# Altium PCB BEAGLEPLAYV020_220915.brd.PcbDoc (part 7 of 12) (continued)
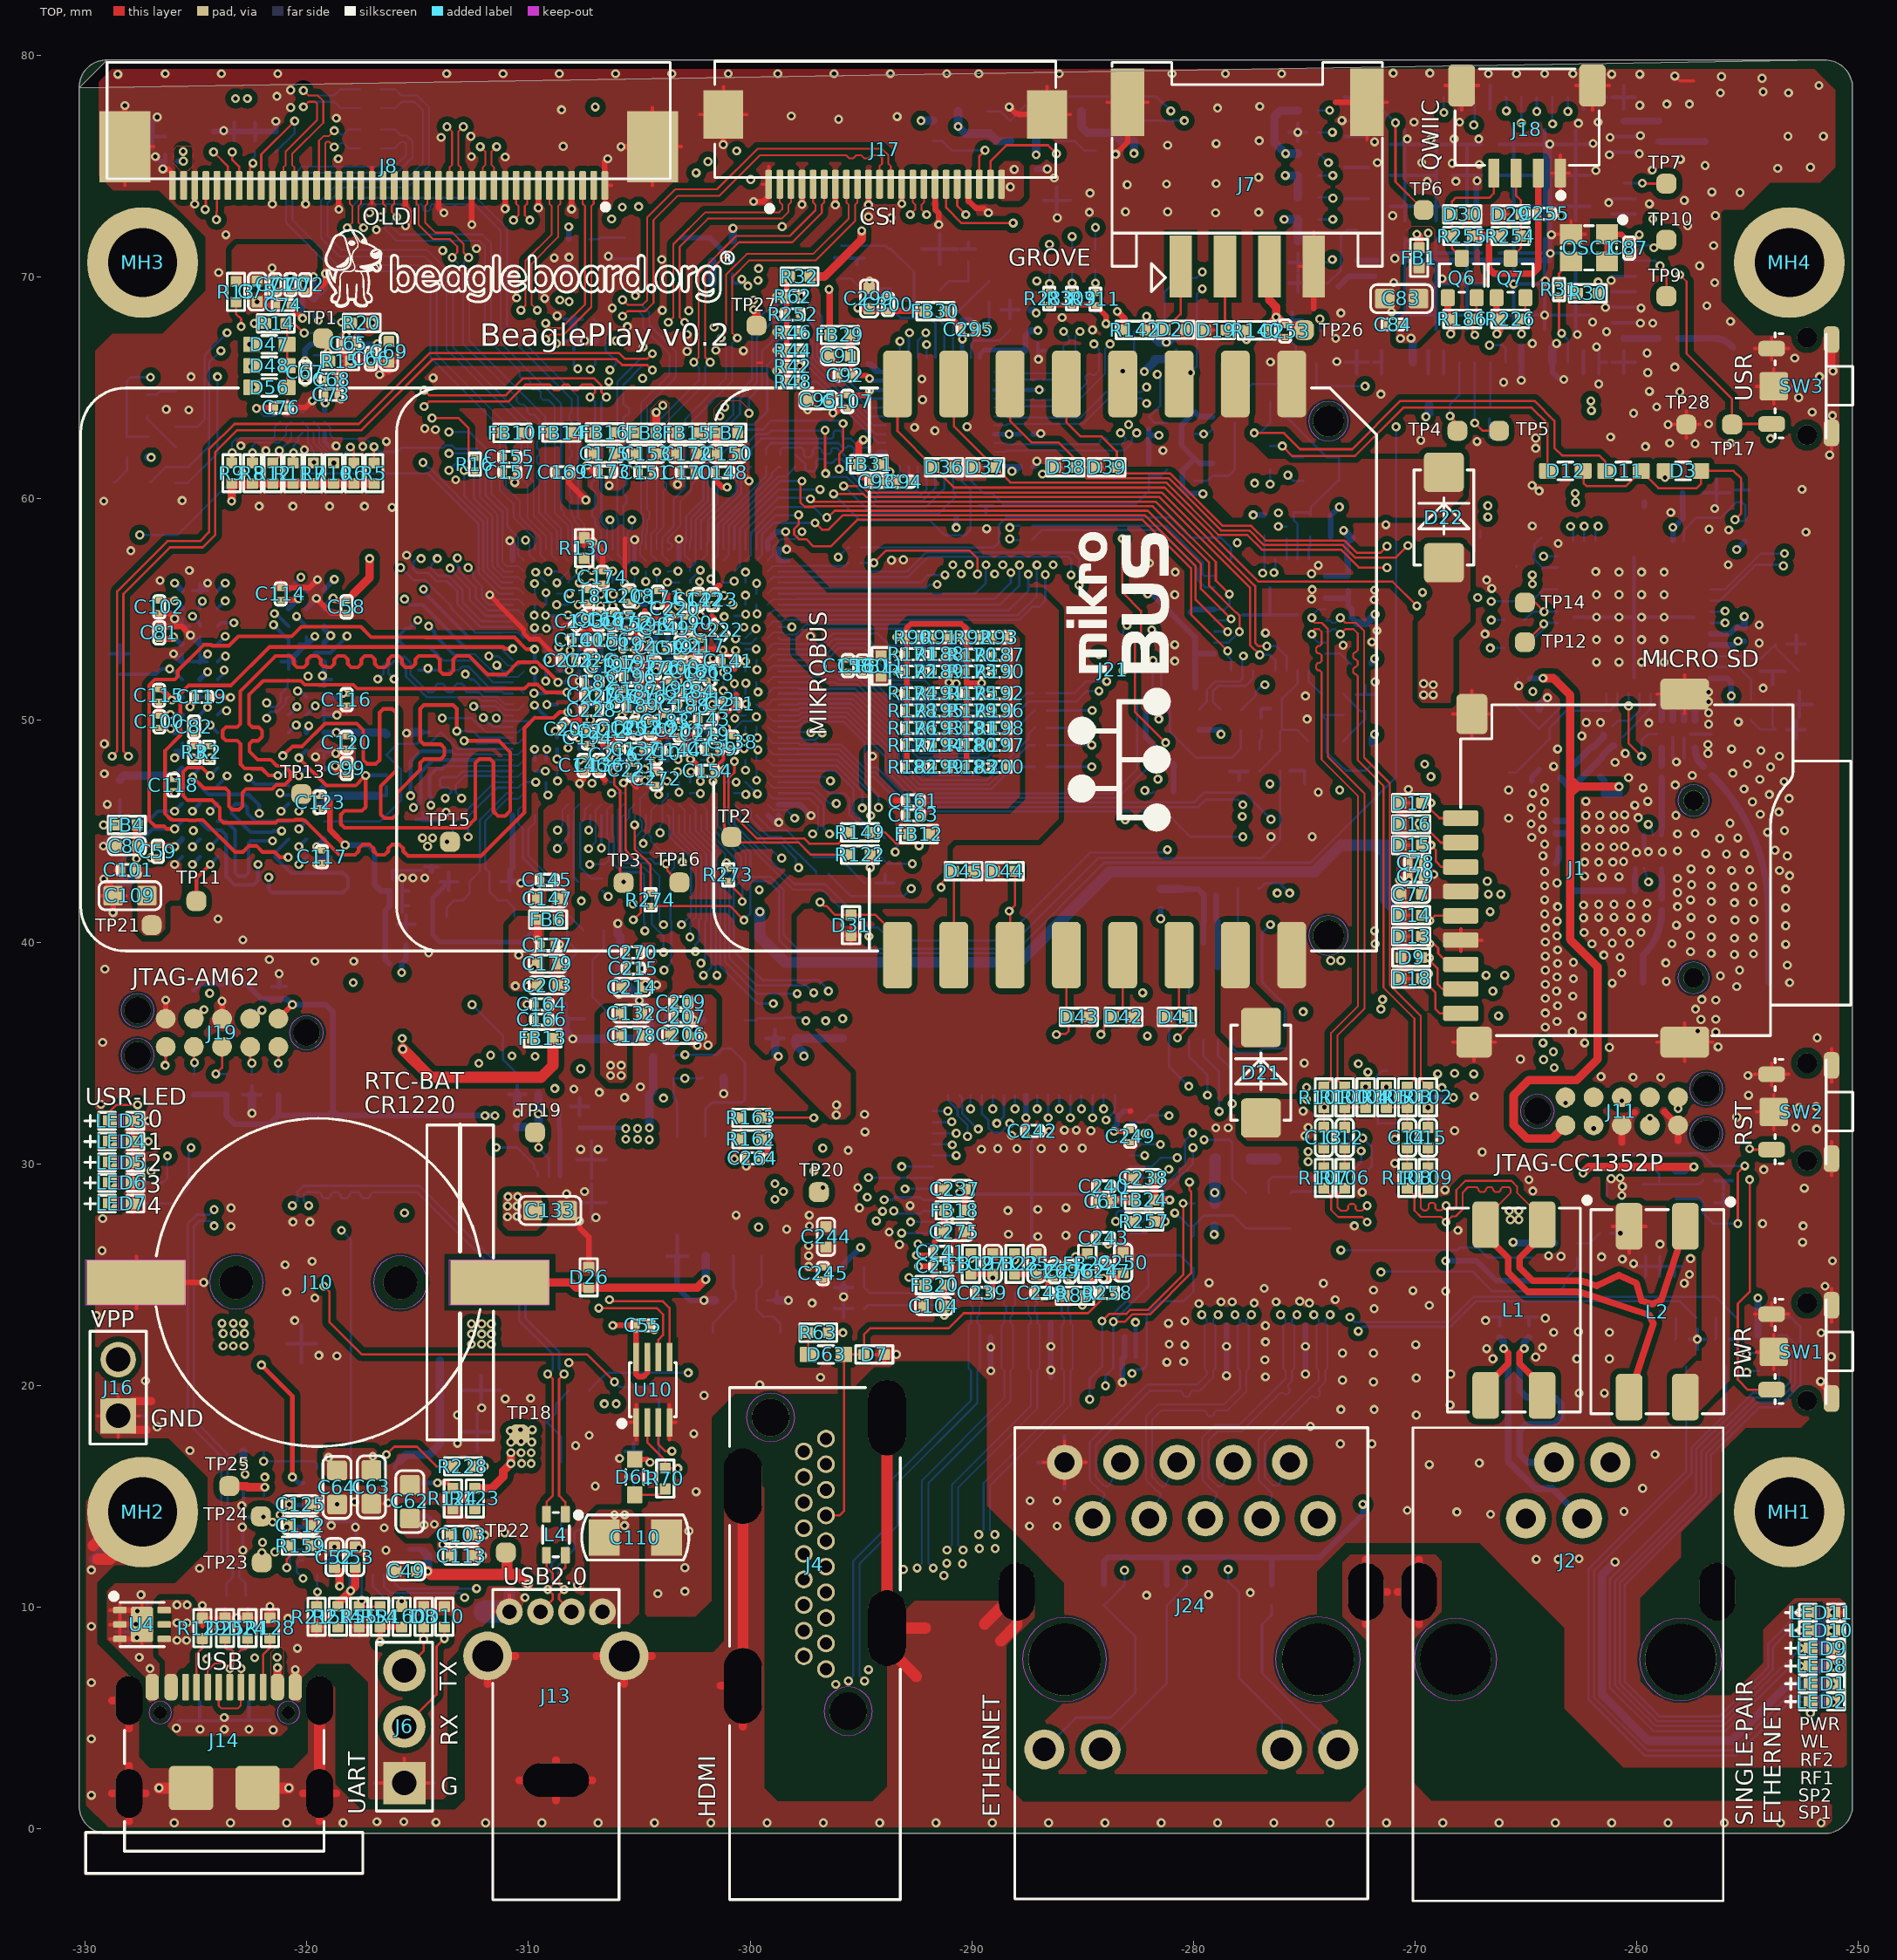
[diagram p0: TOP view]
## Nets (pads, with @x,y where several pads share a name; then routed paths per layer and width w, separated by ;. In a path a pad name is that pad's centre, name@x,y a point inside that pad or via, vN(x,y) a via of type N, cw(c..) or ccw(c..) an arc to the next point about the centre after c; other vN are vias at no path point) (continued)
  LYR3 w0.097: v10(-281.567,50.063) -281.635,49.995 -281.635,48.661 -281.178,48.204 -281.178,45.11 -282.026,44.262 -282.026,39.025 -280.792,37.79 -280.792,36.373 -279.806,35.387 -279.806,32.532 -279.527,32.252 v1(-279.527,31.09)
  LAY6 w0.097: -296.214,51.929 -295.33,51.929 -293.355,49.953 ; -293.353,49.953 -292.292,48.891 ; v3(-292.049,48.891) -290.961,48.891 -289.789,50.063 v10(-281.567,50.063)
  LAY6 w0.102: v3(-301.203,52.179) -300.133,52.179 -299.884,51.929 -296.214,51.929 ; -292.292,48.891 v3(-292.049,48.891)
  BOTTOM w0.102: v3(-301.203,52.179) -301.163,52.219 U1.P21@-300.711,52.219 ; v1(-279.527,31.09) -278.384,31.09 -278.257,30.963 -278.257,29.324 D58.2@-277.622,28.689
HDMI_TX0+: D5.1 D5.10 J4.7 U7.25 | length 21.4
  LYR3 w0.076: J4.7@-296.579,10.678 -296.132,11.124 -295.708,11.124 -293.428,13.404 -291.843,13.404 -291.766,13.327 -291.766,13.183 -291.69,13.106 -291.538,13.106 -291.462,13.183 -291.462,13.327 -291.385,13.404 -291.117,13.404 -290.888,13.175 -290.888,12.818 v1(-291.121,12.585)
  BOTTOM w0.084: v1(-291.121,12.585) -290.901,12.806 -290.901,15.524 -287.336,19.089 -287.336,20.676 -287.443,20.783 D5.10@-287.443,21.302 D5.1@-287.443,22.202 -287.443,22.721 -287.336,22.827 -287.336,23.06 -287.449,23.173 -287.449,23.555 -287.555,23.662 U7.25@-287.555,24.181
HDMI_TX0-: D5.2 D5.9 J4.9 U7.24 | length 21.4
  LYR3 w0.076: J4.9@-296.579,11.833 -296.132,11.386 -295.816,11.386 -293.537,13.665 -291.009,13.665 -290.627,13.283 -290.627,12.819 v1(-290.394,12.585)
  BOTTOM w0.084: v1(-290.394,12.585) -290.614,12.806 -290.614,15.405 -287.049,18.97 -287.049,20.676 -286.943,20.783 D5.9@-286.943,21.302 D5.2@-286.943,22.202 -286.943,22.721 -287.049,22.827 -287.049,23.179 -287.162,23.292 -287.162,23.555 -287.055,23.662 U7.24@-287.055,24.181
HDMI_TX1+: D4.4 D4.7 J4.4 U7.27 | length 22.8
  LYR3 w0.076: J4.4@-297.579,8.946 -296.242,8.946 -295.783,9.405 -295.479,9.405 -295.25,9.634 -295.25,10.628 -293.338,12.54 -293.048,12.54 -292.971,12.464 -292.971,12.319 -292.895,12.243 -292.743,12.243 -292.667,12.319 -292.667,12.464 -292.59,12.54 -292.413,12.54 -292.235,12.362 -292.235,12.006 v1(-292.468,11.773)
  BOTTOM w0.084: v1(-292.468,11.773) -292.247,11.993 -292.247,15.728 -288.542,19.433 -288.542,20.676 -288.648,20.783 D4.7@-288.648,21.302 D4.4@-288.648,22.202 -288.648,22.721 -288.542,22.827 -288.542,23.217 -288.449,23.311 -288.449,23.555 -288.555,23.662 U7.27@-288.555,24.181
HDMI_TX1-: D4.5 D4.6 J4.6 U7.26 | length 22.8
  LYR3 w0.076: J4.6@-297.579,10.101 -296.217,10.101 -295.783,9.667 -295.587,9.667 -295.511,9.743 -295.511,10.737 -293.446,12.802 -292.304,12.802 -291.973,12.47 -291.973,12.006 v1(-291.74,11.773)
  BOTTOM w0.084: v1(-291.74,11.773) -291.96,11.993 -291.96,15.609 -288.255,19.314 -288.255,20.676 -288.149,20.783 D4.6@-288.149,21.302 D4.5@-288.149,22.202 -288.149,22.721 -288.255,22.827 -288.255,23.098 -288.162,23.191 -288.162,23.555 -288.055,23.662 U7.26@-288.055,24.181
HDMI_TX2+: D4.1 D4.10 J4.1 U7.30 | length 22.9
  LYR3 w0.076: J4.1@-296.579,7.213 -296.132,7.659 -295.435,7.659 -295.333,7.558 -295.333,7.435 -295.402,7.366 -295.58,7.366 -295.631,7.315 -295.631,7.188 -295.576,7.134 -295.406,7.134 -295.333,7.061 -295.333,6.909 v1(-295.566,6.676)
  BOTTOM w0.084: v1(-295.566,6.676) -295.35,6.892 -295.35,12.091 -293.632,13.81 -293.632,15.74 -290.042,19.33 -290.042,20.676 -290.149,20.783 D4.10@-290.149,21.302 D4.1@-290.149,22.202 -290.149,22.721 -290.042,22.827 -290.042,23.217 -289.949,23.311 -289.949,23.555 -290.055,23.662 U7.30@-290.055,24.181
HDMI_TX2-: D4.2 D4.9 J4.3 U7.29 | length 22.9
  LYR3 w0.076: J4.3@-296.579,8.368 -296.132,7.921 -295.326,7.921 -295.072,7.666 -295.072,6.909 v1(-294.839,6.676)
  BOTTOM w0.084: v1(-294.839,6.676) -295.063,6.9 -295.063,11.972 -293.345,13.691 -293.345,15.621 -289.755,19.211 -289.755,20.676 -289.649,20.783 D4.9@-289.649,21.302 D4.2@-289.649,22.202 -289.649,22.721 -289.755,22.827 -289.755,23.098 -289.662,23.191 -289.662,23.555 -289.555,23.662 U7.29@-289.555,24.181
HDMI_TXC+: D5.4 D5.7 J4.10 U7.22 | length 22.9
  LYR3 w0.076: J4.10@-297.579,12.411 -296.242,12.411 -295.783,12.87 -295.206,12.87 -293.726,14.351 -290.735,14.351 -290.659,14.275 -290.659,14.122 -290.582,14.046 -290.43,14.046 -290.354,14.122 -290.354,14.275 -290.278,14.351 -289.992,14.351 -289.458,13.818 -289.458,13.517 v1(-289.692,13.284)
  BOTTOM w0.084: v1(-289.692,13.284) -289.471,13.505 -289.471,15.608 -285.836,19.243 -285.836,20.676 -285.943,20.783 D5.7@-285.943,21.302 D5.4@-285.943,22.202 -285.943,22.721 -285.836,22.827 -285.836,23.047 -285.949,23.16 -285.949,23.555 -286.055,23.662 U7.22@-286.055,24.181
HDMI_TXC-: D5.5 D5.6 J4.12 U7.21 | length 22.9
  LYR3 w0.076: J4.12@-297.579,13.566 -296.217,13.566 -295.783,13.132 -295.315,13.132 -293.834,14.613 -289.883,14.613 -289.197,13.926 -289.197,13.517 v1(-288.964,13.284)
  BOTTOM w0.084: v1(-288.964,13.284) -289.184,13.504 -289.184,15.489 -285.549,19.124 -285.549,20.676 -285.443,20.783 D5.6@-285.443,21.302 D5.5@-285.443,22.202 -285.443,22.721 -285.549,22.827 -285.549,23.167 -285.662,23.279 -285.662,23.555 -285.555,23.662 U7.21@-285.555,24.181
I2C0_SCL: R144.2 U1.B16 U17.10 U18.6 U20.1 | length 55.1
  LYR3 w0.097: v1(-312.877,10.439) -312.09,10.439 -308.976,13.553 -308.976,17.338 -307.503,18.811 -307.503,21.422 -308.315,22.235 -308.315,23.764 -302.712,29.367 -302.712,33.254 -302.565,33.401 -302.565,34.138 -302.939,34.512 v1(-302.939,34.925) -302.939,38.335 v1(-302.222,39.052)
  BOTTOM w0.081: U1.B16@-303.211,46.219 -302.962,45.97 -302.962,44.967 -301.981,43.985 -301.981,40.974
  BOTTOM w0.097: R144.2@-303.454,34.827 -303.356,34.925 v1(-302.939,34.925) -301.504,34.925 -301.225,35.204 -300.862,35.204 -300.486,34.827 ; v1(-302.222,39.052) -302.031,39.243 -302.031,40.923 -301.981,40.974
  BOTTOM w0.102: U17.10@-316.522,11.463 -316.522,10.96 -316.205,10.643 -313.08,10.643 v1(-312.877,10.439) ; U18.6@-302.023,31.246 -302.023,32.47 -301.727,32.766 -300.38,32.766 -300.24,32.906 U20.1@-300.24,33.882 -300.24,34.581 -300.486,34.827
I2C0_SDA: R143.2 U1.A16 U17.9 U18.5 U20.3 | length 48.8
  LYR3 w0.097: v1(-312.344,10.846) -312.003,10.846 -309.245,13.604 -309.245,17.45 -307.772,18.923 -307.772,21.311 -308.585,22.123 -308.585,23.927 -302.942,29.569 v1(-302.942,33.862) -303.292,34.212 -303.292,35.493 -303.174,35.611 -303.174,38.874 v1(-302.469,39.579)
  BOTTOM w0.081: U1.A16@-303.211,45.719 -303.211,44.936 -302.209,43.934 -302.209,42.196
  BOTTOM w0.097: R143.2@-303.455,33.862 v1(-302.942,33.862) -302.165,33.862 U20.3@-302.145,33.882
  BOTTOM w0.102: U17.9@-316.021,11.463 -316.021,11.069 -315.798,10.846 v1(-312.344,10.846) ; R143.2@-303.455,33.862 -303.455,32.979 -303.293,32.817 U18.5@-303.293,31.246 ; v1(-302.469,39.579) -302.469,39.897 -302.323,40.043 -302.323,40.983 -302.209,41.097 -302.209,42.196
I2C1_SCL: D20.2 J7.1 R67.1 R142.2 U1.B17 | length 86.1
  TOP w0.102: v1(-282.118,68.224) -282.188,68.154 R142.2@-282.188,67.619 -282.18,67.627 D20.2@-281.286,67.627 -280.58,68.333 J7.1@-280.58,70.486
  LYR3 w0.097: v1(-282.118,68.224) -280.773,68.224 -274.01,61.462 -274.01,53.081 -273.38,52.451 -273.38,48.788 -275.311,46.858 -275.311,42.57 v1(-275.666,42.215) -275.666,40.19 -272.644,37.167 -272.644,35.062 -272.517,34.935 -272.517,34.569 v10(-272.567,34.519)
  LAY6 w0.097: v3(-301.498,38.506) -301.257,38.266 -301.257,38.062 -298.983,35.789 -296.342,35.789 -295.554,35.001 -289.154,35.001 -288.58,34.427 -283.101,34.427 -282.776,34.102 -272.984,34.102 v10(-272.567,34.519)
  BOTTOM w0.081: U1.B17@-302.711,46.219 -302.46,45.968 -302.46,45.024 -301.498,44.061 -301.498,43.233
  BOTTOM w0.102: v3(-301.498,38.506) -301.549,38.557 -301.549,43.183 -301.498,43.233 ; R67.1@-277.074,42.432 -276.998,42.432 -276.784,42.647 -276.098,42.647 v1(-275.666,42.215)
I2C1_SDA: D19.2 J7.2 R140.2 U1.A17 | length 81
  TOP w0.102: J7.2@-278.58,70.486 -278.58,68.08 -278.531,68.031 D19.2@-278.531,67.603 -278.528,67.601 R140.2@-277.612,67.601 v1(-277.612,67.176)
  LYR3 w0.097: v1(-277.612,67.176) -277.612,65.344 -273.812,61.544 -273.812,53.264 -273.126,52.578 -273.126,48.692 -275.112,46.706 -275.112,39.917 -272.415,37.219 -272.415,35.128 -272.009,34.722 -272.009,34.265 v10(-272.136,34.138)
  LAY6 w0.097: v3(-302.108,38.506) -299.136,35.535 -296.368,35.535 -295.555,34.722 -289.204,34.722 -288.707,34.224 -283.178,34.224 -282.858,33.904 -272.369,33.904 v10(-272.136,34.138)
  BOTTOM w0.081: U1.A17@-302.711,45.719 -302.711,44.975 -301.765,44.028 -301.765,43.236
  BOTTOM w0.102: v3(-302.108,38.506) -301.765,38.849 -301.765,43.236
I2C2_SCL: J8.37 R234.2 U1.K22 U7.12 | length 113.5
  TOP w0.102: v3(-324.587,73.05) -324.556,73.081 J8.37@-324.556,74.131
  LYR3 w0.097: v10(-305.765,73.152) -305.13,73.787 -299.085,73.787 -298.475,74.397 -291.033,74.397 -289.89,73.254 -289.89,70.333 -287.68,68.123 -287.68,60.933 -284.485,57.738 -284.485,57.735 -283.555,56.806 -283.555,53.866 -283.322,53.633 -283.322,53.252 -282.58,52.51 -282.58,50.598 -282.351,50.369 -282.351,46.998 v10(-282.197,46.843) -282.197,46.485 -281.699,45.987 -281.699,45.351 -282.524,44.526 -282.524,38.786 -281.29,37.551 -281.29,33.311 -280.391,32.411 -280.391,31.098 v1(-280.026,30.734)
  LAY6 w0.097: v3(-324.587,73.05) -323.012,74.625 -323.012,75.565 -322.783,75.794 -321.691,75.794 -319.608,73.711 -306.299,73.711 -305.765,73.177 v10(-305.765,73.152) ; -297.104,50.523 -295.813,50.523 -292.429,47.139 -290.415,47.139 -290.119,46.843 v10(-282.197,46.843)
  LAY6 w0.102: v3(-300.695,50.099) -300.346,50.099 -299.921,50.523 -297.104,50.523
  BOTTOM w0.102: v3(-300.695,50.099) -300.575,50.219 U1.K22@-300.211,50.219 ; U7.12@-282.855,26.881 -282.136,26.881 -281.965,27.051 -281.965,28.079 -280.026,30.018 v1(-280.026,30.734) ; v10(-282.197,46.843) -282.169,46.843 -282.049,46.723 -281.86,46.723 R234.2@-281.809,46.774
I2C2_SDA: J8.36 R235.2 U1.K24 U7.11 | length 113.3
  TOP w0.102: v3(-324.079,72.593) -324.079,72.936 -324.056,72.958 J8.36@-324.056,74.131
  LYR3 w0.097: v10(-306.248,72.619) -306.248,73.431 -305.651,74.028 -299.301,74.028 -298.679,74.651 -291.007,74.651 -289.692,73.336 -289.692,70.434 -287.452,68.194 -287.452,60.985 -284.287,57.82 -284.287,57.818 -283.357,56.888 -283.357,53.949 -283.124,53.715 -283.124,53.334 -282.382,52.592 -282.382,50.68 -282.24,50.538 -282.143,50.441 -282.143,48.141 v1(-281.96,47.958) -281.96,47.188 -281.762,46.99 -281.762,46.331 -281.501,46.07 -281.501,45.269 -282.326,44.444 -282.326,38.868 -281.092,37.634 -281.092,33.393 -280.035,32.336 v1(-280.035,31.394)
  LAY6 w0.097: v3(-324.079,72.593) -322.783,73.889 -322.783,75.443 -322.687,75.54 -322.097,75.54 -320.207,73.65 -319.91,73.65 -319.743,73.482 -306.756,73.482 -306.248,72.974 v10(-306.248,72.619)
  BOTTOM w0.081: U1.K24@-299.211,50.219 -298.962,49.97 -298.018,49.97
  BOTTOM w0.102: -298.018,49.97 -297.806,49.97 -297.621,50.156 -295.702,50.156 -293.895,48.348 -293.895,47.782 -292.62,46.507 -283.411,46.507 v1(-281.96,47.958) ; U7.11@-282.855,27.381 -282.321,27.381 -282.169,27.534 -282.169,28.163 -280.382,29.95 -280.382,31.048 v1(-280.035,31.394)
I2C3_SCL: D40.2 J21.4 R134.2 R208.2 U1.A15 | length 94.2
  TOP w0.102: J21.4@-283.195,65.179 v5(-283.195,65.751)
  LYR3 w0.097: v1(-279.603,70.231) -279.07,69.698 -276.708,69.698 -275.438,68.428 -275.438,67.506 -271.729,63.798 -271.729,56.813 -271.12,56.203 -271.12,48.743 -271.856,48.006 -271.856,41.758 -271.12,41.021 -271.12,39.269 -268.224,36.374 v10(-268.224,34.087)
  LAY6 w0.097: v3(-303.098,40.792) -302.895,40.589 -302.463,40.589 -299.847,37.973 -299.847,37.592 -299.06,36.805 -296.084,36.805 v3(-295.83,36.551) -294.677,35.397 -288.989,35.397 -288.415,34.823 -276.014,34.823 -275.582,35.255 -269.469,35.255 -268.3,34.087 v10(-268.224,34.087)
  BOTTOM w0.102: U1.A15@-303.711,45.719 -303.657,45.665 -303.657,44.786 -302.666,43.795 -302.666,41.224 v3(-303.098,40.792) ; v3(-295.83,36.551) R134.2@-295.83,36.595 ; v5(-283.195,65.751) -282.687,66.258 D40.2@-282.687,66.294 R208.2@-282.687,67.259 -282.687,67.528 -282.423,67.793 -281.61,67.793 -281.305,68.097 -281.305,69.342 -280.695,69.952 -279.883,69.952 v1(-279.603,70.231)
I2C3_SDA: D52.2 J21.3 R125.2 R148.2 U1.B15 | length 91
  TOP w0.102: J21.3@-280.655,65.179 -280.642,65.179 v5(-280.137,65.684)
  LYR3 w0.097: v1(-279.603,69.469) -276.802,69.469 -275.666,68.333 -275.666,67.412 -273.274,65.019 ; -273.273,65.019 -272.054,63.801 -272.054,56.815 -271.348,56.109 -271.348,48.819 -272.136,48.031 -272.136,41.732 -271.348,40.945 -271.348,39.218 -268.986,36.855 v10(-268.986,34.061)
  LAY6 w0.097: v3(-302.717,40.234) -302.39,40.234 -300.228,38.072 -300.228,37.44 -298.831,36.043 -297.104,36.043 -296.697,36.449 v3(-296.596,36.449) -295.346,35.199 -289.071,35.199 -288.497,34.625 -275.931,34.625 -275.5,35.057 -269.982,35.057 v10(-268.986,34.061)
  BOTTOM w0.081: U1.B15@-303.711,46.219 -303.462,45.97 -303.462,44.902 -302.438,43.877 -302.438,41.148 -302.692,40.894 -302.692,40.259 v3(-302.717,40.234)
  BOTTOM w0.102: R148.2@-296.77,36.587 -296.708,36.525 -296.672,36.525 v3(-296.596,36.449) ; v5(-280.137,65.684) -279.857,65.964 D52.2@-279.857,66.294 R125.2@-279.857,67.259 -279.857,69.215 v1(-279.603,69.469)
INTB: Q14.3 R262.2 U6.31 | length 20.1
  LYR3 w0.097: v10(-287.071,69.825) -287.071,69.901 -286.817,70.155 -284.252,70.155 -283.083,68.985 -283.083,67.132 -281.635,65.684 v1(-281.635,65.608)
  LAY6 w0.097: v3(-293.243,67.107) -293.243,67.666 -291.084,69.825 v10(-287.071,69.825)
  BOTTOM w0.102: U6.31@-293.243,66.367 v3(-293.243,67.107) ; v1(-281.635,65.608) -281.508,65.481 -281.508,64.186 -281.991,63.703 R262.2@-282.02,63.703 -281.741,63.424 Q14.3@-281.192,63.424
LED0: R166.1 U13.29 | length 53.6
  LYR3 w0.097: v1(-276.375,56.669) -276.364,56.669 -275.93,56.236 -275.93,52.972 -276.073,52.83 -276.073,49.149 -277.195,48.026 -277.195,40.447 -273.548,36.8 -273.548,32.01 -273.533,31.994 -273.533,27.356 -272.567,26.391 v1(-272.567,22.454)
  BOTTOM w0.102: v1(-276.375,56.669) -276.375,56.695 -276.305,56.765 U13.29@-276.305,57.277 ; v1(-272.567,22.454) -272.364,22.657 -268.419,22.657 -267.276,23.8 -258.06,23.8 R166.1@-257.313,23.053
LED0/CFG_EXT: R35.1 R253.2 R283.1 U6.32 | length 9.8
  TOP w0.102: R283.1@-286.512,69.312 -286.512,69.698 v3(-286.499,69.71)
  LAY6 w0.097: v3(-292.811,67.488) -292.735,67.488 -290.779,69.444 -286.791,69.444 -286.525,69.71 v3(-286.499,69.71)
  BOTTOM w0.102: U6.32@-292.843,66.367 -292.843,67.456 v3(-292.811,67.488) ; R253.2@-286.512,69.312 -286.512,69.698 v3(-286.499,69.71) R35.1@-286.499,70.318
LED1/CFG_LDO0: R40.1 R308.2 R309.1 U6.33 | length 10.2
  TOP w0.102: R309.1@-285.486,69.312 -285.486,69.714 v3(-285.474,69.726)
  LAY6 w0.097: v3(-292.075,67.488) -290.424,69.139 -286.061,69.139 v3(-285.474,69.726)
  BOTTOM w0.102: U6.33@-292.443,66.367 -292.443,67.12 v3(-292.075,67.488) ; R308.2@-285.486,69.312 -285.486,69.714 v3(-285.474,69.726) R40.1@-285.474,70.318
LED2: R113.1 R167.1 U13.28 | length 56.4
  LYR3 w0.097: v1(-276.882,56.645) -276.128,55.891 -276.128,53.055 -276.339,52.844 -276.339,49.188 -277.419,48.108 -277.419,40.39 -273.746,36.717 -273.746,31.927 -273.736,31.917 -273.736,27.178 -272.948,26.391 v1(-272.948,23.089)
  BOTTOM w0.102: v1(-276.882,56.645) -276.805,56.722 U13.28@-276.805,57.277 -276.805,58.34 R113.1@-276.809,58.344 ; v1(-272.948,23.089) -272.72,22.86 -268.503,22.86 -267.36,24.003 -256.454,24.003 R167.1@-255.504,23.053
LED2/CFG_LDO1: R165.1 R310.2 R311.1 U6.34 | length 10.9
  TOP w0.102: R311.1@-284.429,69.286 -284.429,69.723 v3(-284.427,69.725)
  LAY6 w0.097: v3(-292.043,66.954) -290.163,68.834 -285.242,68.834 -284.427,69.649 v3(-284.427,69.725)
  BOTTOM w0.102: U6.34@-292.043,66.367 v3(-292.043,66.954) ; R310.2@-284.429,69.286 -284.429,69.723 v3(-284.427,69.725) R165.1@-284.427,70.318
LED_USR0: R201.1 U1.E25 | length 6.6
  BOTTOM w0.097: -294.462,44.983 -294.215,44.983 R201.1@-293.934,44.703
  BOTTOM w0.102: U1.E25@-298.711,47.719 -296.15,47.719 -295.326,46.896 -295.326,45.847 -294.462,44.983
LED_USR1: R202.1 U1.G24 | length 58
  LYR3 w0.097: v10(-298.884,28.397) -298.323,28.397 -297.48,29.24 -297.48,32.956 -295.003,35.433 -295.003,37.678 -294.208,38.473 v1(-294.208,46.076)
  LAY6 w0.097: v3(-327.152,31.013) -327.584,30.582 -327.584,29.515 -327.254,29.185 -306.502,29.185 -305.714,28.397 v10(-298.884,28.397)
  BOTTOM w0.081: U1.G24@-299.211,48.719 -298.962,48.471 -297.84,48.471
  BOTTOM w0.102: R202.1@-327.91,31.01 -327.906,31.013 v3(-327.152,31.013) ; -297.84,48.471 -296.038,48.471 -294.208,46.64 v1(-294.208,46.076)
LED_USR2: R203.1 U1.F25 | length 54.3
  LYR3 w0.097: v10(-298.501,28.753) -297.678,29.576 -297.678,33.039 -295.201,35.515 -295.201,42.339 -295.046,42.494 -295.046,45.23 v1(-294.564,45.712)
  LAY6 w0.097: v3(-327.025,29.667) -306.476,29.667 -305.562,28.753 v10(-298.501,28.753)
  BOTTOM w0.102: R203.1@-327.911,30.07 -327.428,30.07 v3(-327.025,29.667) ; U1.F25@-298.711,48.219 -296.075,48.219 -294.564,46.709 v1(-294.564,45.712)
LED_USR3: R204.1 U1.F24 | length 55
  LYR3 w0.097: v10(-298.884,29.106) -297.876,30.114 -297.876,33.121 -295.399,35.598 -295.399,37.589 -295.681,37.871 -295.681,42.469 -295.377,42.774 -295.377,45.618 v1(-294.945,46.05)
  LAY6 w0.097: v3(-326.288,30.353) -325.958,30.023 -306.299,30.023 -305.384,29.108 -298.958,29.108 -298.955,29.106 v10(-298.884,29.106)
  BOTTOM w0.081: U1.F24@-299.211,48.219 -298.96,47.968 -298.348,47.968
  BOTTOM w0.102: R204.1@-327.886,29.148 -326.503,29.148 -326.288,29.362 v3(-326.288,30.353) ; -298.348,47.968 -296.111,47.968 -294.945,46.802 v1(-294.945,46.05)
LED_USR4: R205.1 U1.H25 | length 59.4
  LYR3 w0.097: v10(-297.127,29.693) -297.127,31.499 -296.774,31.852 -296.774,33.102 -294.607,35.268 -294.607,37.513 -293.812,38.308 -293.812,45.353 -293.657,45.508 -293.657,48.75 -294.352,49.445 v1(-296.748,49.445)
  LAY6 w0.097: v3(-325.222,30.734) -325.196,30.734 -324.714,30.251 -306.019,30.251 -305.244,29.477 -299.733,29.477 -299.517,29.693 v10(-297.127,29.693)
  BOTTOM w0.102: R205.1@-327.887,28.208 -326.02,28.208 -325.323,28.905 -325.323,30.632 v3(-325.222,30.734) ; U1.H25@-298.711,49.22 -297.657,49.22 -297.556,49.119 -297.075,49.119 v1(-296.748,49.445)
MB_3V3: D21.2 J21.15
MCASP1_ACLKX: R69.2 U7.7 | length 26.3
  LYR3 w0.097: v1(-284.569,50.451) -283.743,49.626 -283.743,47.251 -284.053,46.941 -284.053,37.901 -282.462,36.31 -282.462,33.001 -281.116,31.656 -281.116,29.757 v1(-281.114,29.756)
  BOTTOM w0.102: R69.2@-286.614,50.451 v1(-284.569,50.451) ; U7.7@-282.855,29.381 -281.49,29.381 v1(-281.114,29.756)
MCASP1_AFSX: R71.2 U7.6 | length 26.3
  LYR3 w0.097: v1(-283.17,52.25) -283.17,50.628 -282.748,50.205 -282.748,46.374 -282.499,46.125 -282.499,45.109 -282.829,44.779 -282.829,38.786 -281.488,37.444 -281.488,33.228 -280.737,32.478 v1(-280.737,30.277)
  BOTTOM w0.102: v1(-283.17,52.25) R71.2@-283.17,53.035 ; U7.6@-282.855,29.881 -281.879,29.881 -281.483,30.277 v1(-280.737,30.277)
MCASP1_AXR0: R72.2 U7.5 | length 22.7
  LYR3 w0.097: v1(-284.594,48.891) -284.241,48.538 -284.241,47.457 -284.551,47.147 -284.551,37.695 -282.96,36.103 -282.96,32.795 -281.847,31.683 -281.847,30.734 v1(-282.2,30.381)
  BOTTOM w0.102: R72.2@-286.614,48.891 v1(-284.594,48.891) ; U7.5@-282.855,30.381 v1(-282.2,30.381)
MCASP1_AXR1: R245.2 U7.4 | length 23.7
  LYR3 w0.097: v1(-284.594,49.664) -284.043,49.112 -284.043,47.375 -284.353,47.065 -284.353,37.777 -282.761,36.185 -282.761,32.877 -281.494,31.61 v1(-281.494,30.881)
  BOTTOM w0.102: R245.2@-286.614,49.664 v1(-284.594,49.664) ; U7.4@-282.855,30.881 v1(-281.494,30.881)
MCASP1_AXR2: R247.2 U7.3 | length 20.3
  LYR3 w0.097: v1(-284.594,47.914) -284.594,47.434 -284.749,47.28 -284.749,37.612 -283.158,36.021 -283.158,32.331 v1(-282.2,31.374)
  BOTTOM w0.102: R247.2@-286.614,47.914 v1(-284.594,47.914) ; U7.3@-282.855,31.381 -282.252,31.381 -282.245,31.374 v1(-282.2,31.374)
MCASP1_AXR3: R246.2 U7.2 | length 25.9
  LYR3 w0.097: v1(-283.916,51.765) -283.916,50.812 -283.144,50.04 -283.144,47.002 -283.454,46.693 -283.454,38.15 -281.686,36.382 -281.686,32.761 v1(-281.104,32.18)
  BOTTOM w0.102: R246.2@-286.664,51.223 -285.378,51.223 -284.836,51.765 v1(-283.916,51.765) ; U7.2@-282.855,31.881 -282.263,31.881 -281.965,32.18 v1(-281.104,32.18)
MCU_3V3: C22.1 C23.1 C37.1 C38.1 C39.1 C40.1 C41.1 C96.1 FB5.2 J11.1 L5.2 R117.1 U9.13 U9.22 U9.34 U9.44 | length 38.9
  TOP w0.102: v3(-264.236,51.906) -264.135,51.906 -263.768,51.906 -263.767,51.905
  TOP w0.381: v3@-264.135,51.906 -264.133,51.905 -263.767,51.905 -263.017,51.156 -263.017,47.371 ; J11.1@-263.224,31.739 -263.823,31.14 -264.947,31.14 -265.557,31.75 -265.557,33.096 -264.871,33.782 -262.712,33.782 -261.772,34.722 -261.772,38.887 -263.017,40.132 -263.017,46.685 ; v5(-260.807,47.015) -262.661,47.015 ; -263.017,46.685 -263.017,47.015 ; -263.017,46.685 -262.687,47.015 ; -263.017,47.015 -263.017,47.371 ; -263.017,47.015 -262.687,47.015 ; -263.017,47.371 -262.661,47.015 ; -262.687,47.015 -262.661,47.015
  BOTTOM w0.102: C37.1@-265.438,56.929 C37.1@-265.438,56.965
  BOTTOM w0.254: C39.1@-264.823,51.906 v3(-264.236,51.906) -264.135,51.906 -264.133,51.905 U9.13@-263.577,51.905 ; U9.34@-258.377,58.105 v3(-258.377,58.717) -258.311,58.717 -257.915,59.113 C41.1@-257.915,59.182 -257.937,59.204 C96.1@-257.937,60.274 ; U9.44@-256.677,53.905 -255.822,53.905 -255.503,54.225 C40.1@-255.157,54.225 ; v3(-255.499,57.709) -255.131,58.076 R117.1@-255.114,58.076
  BOTTOM w0.305: L5.2@-261.648,47.461 -261.481,47.295 C23.1@-261.481,46.667 -261.476,46.671 C22.1@-260.796,46.671 -260.796,47.004 v5(-260.807,47.015) ; C40.1@-255.157,54.225 v3(-255.157,54.688)
  other v3: -264.714,56.16 -264.719,56.566
MCU_ERRORN: TP15.1 U1.D1 | length 4.4
  BOTTOM w0.102: v5(-313.68,44.526) -313.436,44.77 -313.436,45.306 -311.522,47.22 U1.D1@-310.711,47.22
MCU_I2C0_SCL: Q6.2 R186.2 U1.A8 | length 106.4
  TOP w0.102: v1(-267.31,67.386) -267.415,67.491 R186.2@-267.415,68.112 -267.233,68.293 Q6.2@-267.233,69.068
  LYR3 w0.097: v1(-267.31,67.386) -265.303,69.393 -259.639,69.393 -254.808,64.562 -254.808,55.824 -252.542,53.558 -252.542,36.892 -254.753,34.681 -262.463,34.681 -262.816,35.034 -263.746,35.034 v10(-263.771,35.06)
  LAY6 w0.097: v3(-307.285,45.052) -306.836,44.602 -306.375,44.602 -304.241,42.469 -302.87,42.469 -299.288,38.887 -294.081,38.887 -292.809,37.615 -288.115,37.615 -288.11,37.615 -287.452,36.957 -283.185,36.957 -282.829,36.601 -276.377,36.601 -275.864,36.088 -265.507,36.088 -264.479,35.06 v10(-263.771,35.06)
  BOTTOM w0.102: v3(-307.285,45.052) -307.211,45.126 U1.A8@-307.211,45.719
MCU_I2C0_SDA: Q7.2 R226.2 U1.D10 | length 106
  TOP w0.102: v1(-265.201,67.437) -265.249,67.485 R226.2@-265.249,68.112 -265.032,68.329 Q7.2@-265.032,69.068
  LYR3 w0.097: v1(-265.201,67.437) -265.201,68.377 -264.439,69.139 -259.665,69.139 -255.006,64.479 -255.006,55.717 -252.74,53.452 -252.74,36.975 -254.835,34.879 -262.38,34.879 -262.914,35.413 -264.19,35.413 v10(-264.236,35.458)
  LAY6 w0.097: v3(-307.138,47.169) -307.138,45.67 -304.19,42.723 -302.819,42.723 -299.187,39.091 -293.929,39.091 -292.651,37.813 -288.032,37.813 -287.952,37.813 -287.337,37.198 -283.071,37.198 -282.677,36.805 -276.2,36.805 -275.681,36.286 -265.425,36.286 -264.597,35.458 v10(-264.236,35.458)
  BOTTOM w0.102: v3(-307.138,47.169) -307.087,47.22 -307.078,47.22 -306.819,47.479 -306.604,47.479 -306.345,47.22 U1.D10@-306.211,47.22
MCU_OBSCLK0: R217.2 R229.1 | length 66.1
  LYR3 w0.097: v1(-289.306,67.691) -289.789,67.208 -289.789,58.166 -289.303,57.681 -285.974,57.681 -285.577,57.284 -285.577,57.282 -284.648,56.352 -284.648,51.095 -283.444,49.891 -283.444,47.127 -283.754,46.817 -283.754,38.025 -282.083,36.355 v10(-282.083,35.771)
  LAY6 w0.097: v3(-306.404,42.059) -306.015,42.059 -305.986,42.088 -305.029,42.088 -304.622,41.681 -303.123,41.681 -299.618,38.176 -294.674,38.176 -293.226,36.728 -288.45,36.728 -287.947,36.225 -283.698,36.225 -283.243,35.771 v10(-282.083,35.771)
  BOTTOM w0.102: R217.2@-306.676,42.312 -306.657,42.312 v3(-306.404,42.059) ; v1(-289.306,67.691) -289.223,67.774 R229.1@-289.223,68.889
MCU_PORZ: R159.2 SW2.2 U1.D2 U17.18 | length 114.7
  TOP w0.102: v1(-320.904,11.786) -320.904,12.176 -320.731,12.348 R159.2@-320.731,12.776 ; v1(-254.914,30.683) -254.873,30.642 SW2.2@-253.924,30.642
  LYR3 w0.097: v1(-320.904,11.786) -322.123,11.786 -322.453,12.116 -322.453,14.097 -321.056,15.494 -321.056,21.615 -318.864,23.807 -318.864,27.414 -317.386,28.892 -317.386,35.75 -315.138,37.998 -315.138,41.42 -312.725,43.833 -312.725,44.061 ; v10(-266.243,36.678) -266.522,36.398 -266.522,31.318 -265.455,30.251 -263.449,30.251 -262.854,30.846 -259.09,30.846 -257.734,29.489 -256.108,29.489 v1(-254.914,30.683)
  LYR3 w0.102: -312.725,44.061 v1(-312.725,44.747)
  LAY6 w0.097: -305.245,44.061 -304.105,42.921 -302.712,42.921 -299.085,39.294 -293.852,39.294 -292.569,38.011 -287.87,38.011 -287.286,37.427 -282.963,37.427 -282.569,37.033 -276.073,37.033 -275.524,36.485 -266.436,36.485 v10(-266.243,36.678)
  LAY6 w0.102: v3(-309.676,47.22) -309.21,47.22 -308.825,47.605 -306.888,47.605 -306.73,47.447 -306.73,45.547 -305.245,44.061
  BOTTOM w0.081: -311.035,46.971 -310.46,46.971 U1.D2@-310.211,47.22
  BOTTOM w0.102: v1(-320.904,11.786) -320.777,11.913 -320.777,12.486 -320.649,12.613 U17.18@-320.172,12.613 ; v1(-312.725,44.747) -312.725,45.662 -311.416,46.971 -311.035,46.971 ; U1.D2@-310.211,47.22 v3(-309.676,47.22)
MCU_RESETSTATZ: TP16.1 U1.B12 | length 5.6
  TOP w0.102: v5(-303.799,43.536) -303.733,43.47 -303.733,43.241 TP16.1@-303.188,42.696
  BOTTOM w0.081: U1.B12@-305.211,46.219 -305.462,45.968 -305.462,45.616 -305.628,45.451 -305.628,44.262 -305.587,44.222 -305.587,43.86 -305.491,43.764 -304.495,43.764
  BOTTOM w0.102: -304.495,43.764 -304.267,43.536 v5(-303.799,43.536)
MCU_RESETZ: R126.2 TP3.1 U1.E11 | length 6.1
  TOP w0.102: v5(-306.14,47.705) -306.14,47.111 -305.867,46.838 -305.867,42.84 TP3.1@-305.709,42.682
  BOTTOM w0.102: v5(-306.14,47.705) -306.125,47.719 U1.E11@-305.711,47.719 ; v5(-305.712,42.717) R126.2@-305.286,42.717
MCU_SPI1_CLK: U1.D4 U11.8 | length 42.3
  LAY6 w0.097: v3(-309.122,46.634) -309.118,46.63 -309.118,46.624 -308.005,45.511 -308.005,41.356 -307.035,40.386 -305.376,40.386 -304.896,40.866 -304.543,40.866 -304.063,40.386 -303.809,40.386 -303.174,39.751 -303.174,39.337 -302.9,39.062 -302.9,38.376 -302.378,37.854 -302.259,37.854 -298.594,34.188 -289.575,34.188 -289.108,33.722 -283.38,33.722 -283.065,33.406 -280.784,33.406 -280.423,33.045 -279.425,33.045 v3(-279.372,33.099)
  BOTTOM w0.102: U1.D4@-309.211,47.22 -309.211,46.727 -309.122,46.638 v3(-309.122,46.634) ; U11.8@-280.198,35.579 -280.198,34.834 -279.372,34.008 v3(-279.372,33.099)
MCU_SPI1_CS1: U1.E5 U11.1 | length 44.9
  LAY6 w0.097: v3(-308.686,47.269) -308.686,46.66 -307.645,45.618 -307.645,42.697 -306.324,41.377 -303.886,41.377 -303.451,40.942 -303.451,40.452 -302.875,39.875 -302.875,39.461 -302.59,39.176 -302.59,38.49 -302.254,38.153 -302.035,38.153 -299.218,35.336 -298.709,35.336 -297.861,34.488 -289.451,34.488 -288.984,34.021 -283.256,34.021 -282.941,33.706 -280.421,33.706 v3(-280.215,33.5)
  BOTTOM w0.102: U1.E5@-308.711,47.719 -308.711,47.294 v3(-308.686,47.269) ; v3(-280.215,33.5) -281.102,34.387 -281.102,36.195 -280.198,37.099 U11.1@-280.198,39.979
MCU_SPI1_D0: U1.A6 U11.7 | length 42.3
  LAY6 w0.097: v3(-308.699,44.226) -308.699,41.009 -306.857,39.167 -303.709,39.167 -303.398,38.856 -303.398,38.169 -298.919,33.691 -289.781,33.691 -289.315,33.224 -283.587,33.224 -283.271,32.908 -280.99,32.908 -280.449,32.367 v3(-278.841,32.367)
  BOTTOM w0.102: v3(-308.699,44.226) -308.211,44.714 U1.A6@-308.211,45.719 ; U11.7@-279.548,35.579 -279.548,34.844 -278.841,34.138 v3(-278.841,32.367)
MCU_SPI1_D1: U1.B6 U11.6 | length 42.8
  LAY6 w0.097: v3(-308.686,45.052) -308.305,44.671 -308.305,40.97 -307.289,39.954 -303.818,39.954 -303.479,39.615 -303.479,39.37 -303.474,39.365 -303.474,39.213 -303.2,38.938 -303.2,38.251 -298.837,33.889 -289.699,33.889 -289.232,33.422 -283.504,33.422 -283.189,33.106 -280.908,33.106 -280.522,32.72 v3(-278.257,32.72)
  BOTTOM w0.081: v3(-308.686,45.052) -308.46,45.278 -308.46,45.97 U1.B6@-308.211,46.219
  BOTTOM w0.102: U11.6@-278.898,35.579 -278.898,34.88 -278.257,34.239 v3(-278.257,32.72)